# Altium PCB 2-quilter-output.pcbdoc (part 8 of 17)
Units mil, origin at the board's own origin, x right, y up, seen from the top; angles counter-clockwise.
Board outline 2728 x 2217 mil, 8 copper layers (L1_TOP, L2_GND, L3_INNER1, L4_GND, L5_PWR, L6_PWR, L7_GND, L8_BOT), stack 48.64 mil thick; 230 components, 327 nets, 1592 pads, 995 vias.
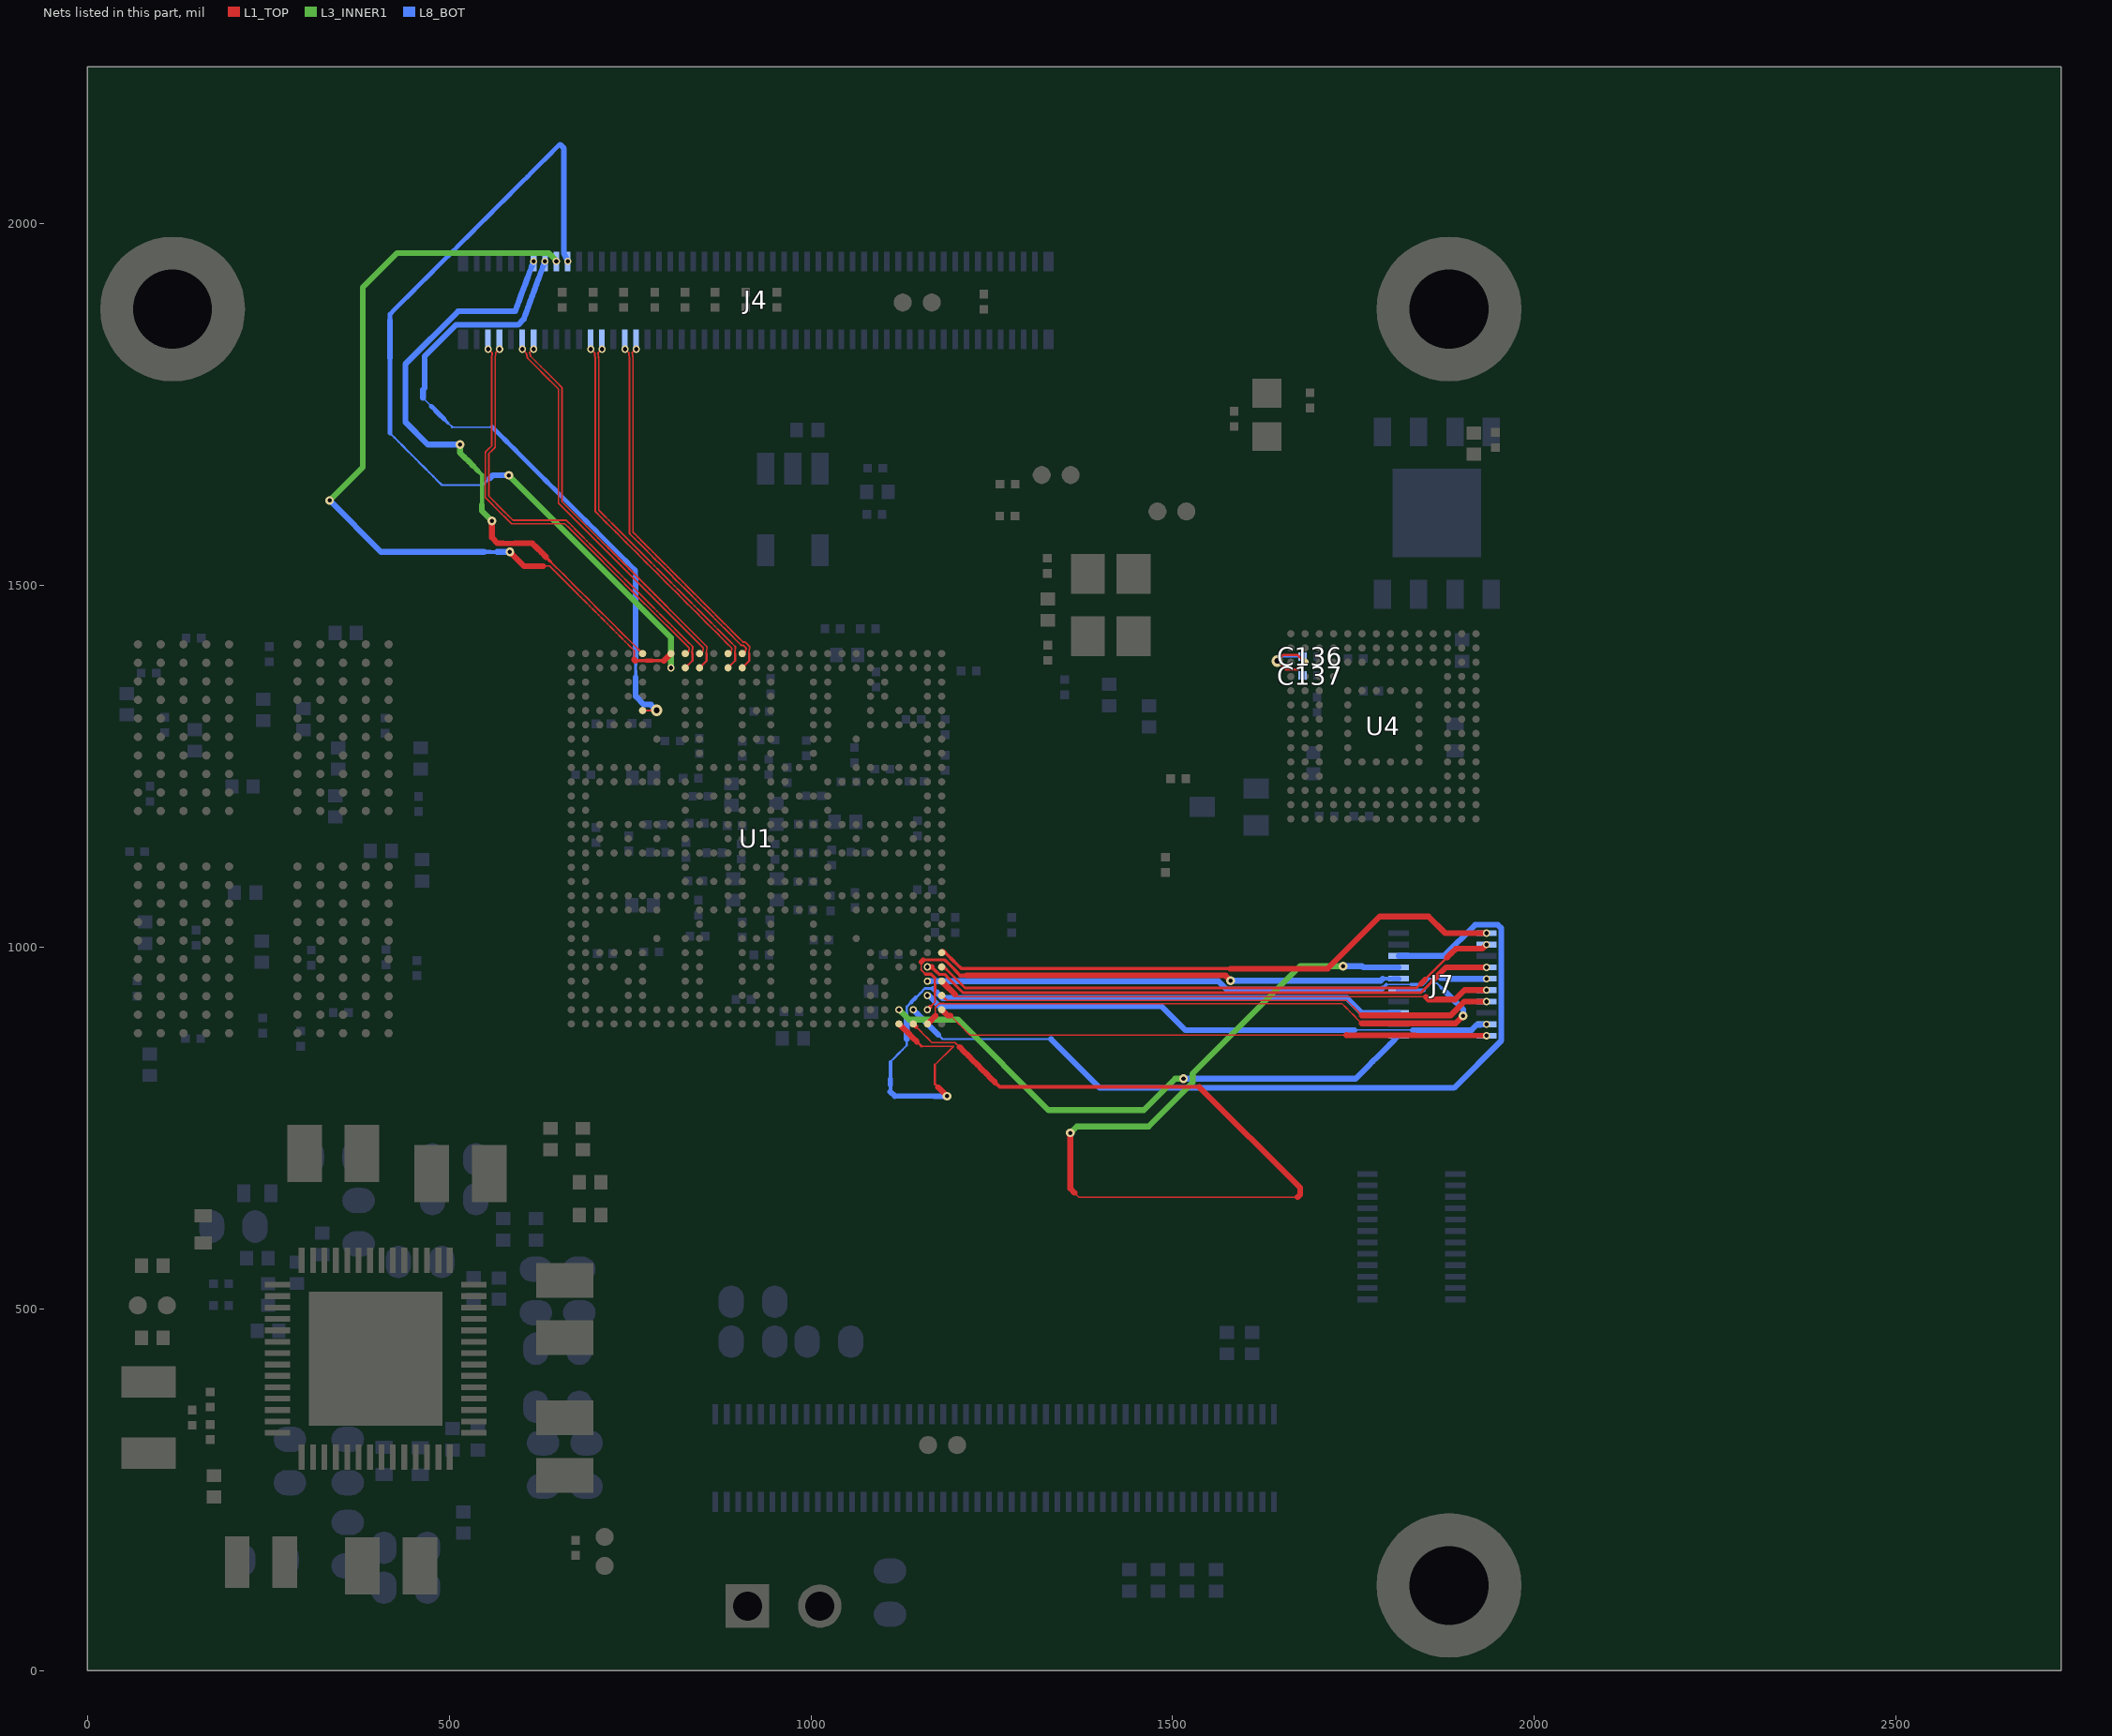
[diagram p14: the nets of this part, all layers, seen from the top]

## Via types
v1: diameter 12.01, hole 5.91, L1_TOP to L8_BOT, tented both sides, 409 vias
v2: diameter 16, hole 8, L1_TOP to L8_BOT, tented both sides, 329 vias
v3: diameter 10, hole 6, L1_TOP to L8_BOT, tented both sides, 205 vias
v4: diameter 16, hole 8, L1_TOP to L8_BOT, tented top, 52 vias

## Nets (pads, with @x,y where several pads share a name; then routed paths per layer and width w, separated by ;. In a path a pad name is that pad's centre, name@x,y a point inside that pad or via, vN(x,y) a via of type N, cw(c..) or ccw(c..) an arc to the next point about the centre after c; other vN are vias at no path point) (continued)
DSI_D0_N: J4.3 U1.A9 | length 588.9
  L1_TOP w2.3: 550.91,1620.63 550.85,1620.69 550.79,1620.75 550.74,1620.82 550.69,1620.89 550.64,1620.96 550.59,1621.03 550.55,1621.1 550.51,1621.17 550.47,1621.25 550.43,1621.32 550.4,1621.4 550.37,1621.48 550.34,1621.56 550.32,1621.64 550.29,1621.72 550.28,1621.81 550.26,1621.89 550.25,1621.97 550.24,1622.06 550.23,1622.14 550.22,1622.22 550.22,1622.31 550.22,1632.46 550.22,1642.61 550.22,1652.76 550.22,1662.92 550.22,1673.07 550.22,1683.22 550.22,1683.3 550.23,1683.39 550.24,1683.47 550.25,1683.55 550.26,1683.64 550.28,1683.72 550.3,1683.8 550.32,1683.88 550.35,1683.97 550.38,1684.04 550.41,1684.12 550.44,1684.2 550.48,1684.28 550.52,1684.35 550.56,1684.42 550.61,1684.5 550.65,1684.57 550.7,1684.64 550.76,1684.7 550.81,1684.77 550.87,1684.83 550.92,1684.89 554.94,1688.9 558.95,1692.91 558.95,1702.98 558.95,1713.04 558.95,1723.11 558.95,1733.17 558.95,1743.24 558.95,1753.3 558.95,1763.37 558.95,1773.43 558.95,1783.5 558.95,1793.56 558.95,1803.63 558.95,1813.69 558.95,1813.78 558.95,1813.86 559.54,1821.71 v3@554.04,1826.15 ; 550.93,1620.61 557.86,1613.68 564.8,1606.74 571.73,1599.8 578.67,1592.87 585.61,1585.93 585.67,1585.87 585.73,1585.82 585.8,1585.76 585.86,1585.71 585.93,1585.66 586,1585.61 586.07,1585.57 586.15,1585.53 586.22,1585.49 586.3,1585.45 586.37,1585.41 586.45,1585.38 586.53,1585.36 586.61,1585.33 586.69,1585.31 586.78,1585.29 586.86,1585.27 586.94,1585.25 587.03,1585.24 587.11,1585.24 587.2,1585.23 587.28,1585.23 596.37,1585.23 605.46,1585.23 614.55,1585.23 623.64,1585.23 632.73,1585.23 641.82,1585.23 650.91,1585.23 660,1585.23 667.16,1578.07 674.32,1570.91 681.48,1563.75 688.64,1556.59 695.8,1549.43 702.95,1542.27 710.11,1535.11 717.27,1527.95 724.43,1520.79 731.59,1513.63 738.75,1506.48 745.91,1499.32 753.07,1492.16 760.23,1485 767.39,1477.84 774.55,1470.68 781.71,1463.52 788.87,1456.36 796.02,1449.2 803.18,1442.04 810.34,1434.88 817.5,1427.72 824.66,1420.56 831.82,1413.41 830.87,1408.04 U1.A9@826.47,1405.81
  other v3: 554.06,1826.55
DSI_D0_P: J4.5 U1.B9 | length 609.4
  L1_TOP w2.3: v3@569.79,1826.15 564.32,1821.36 563.75,1813.6 563.75,1803.46 563.75,1793.31 563.75,1783.17 563.75,1773.03 563.75,1762.89 563.75,1752.75 563.75,1742.6 563.75,1732.46 563.75,1722.32 563.75,1712.18 563.75,1702.04 563.75,1691.89 563.74,1691.81 563.74,1691.72 563.73,1691.64 563.72,1691.56 563.7,1691.47 563.69,1691.39 563.67,1691.31 563.64,1691.23 563.62,1691.15 563.59,1691.07 563.56,1690.99 563.52,1690.91 563.49,1690.83 563.45,1690.76 563.41,1690.69 563.36,1690.61 563.31,1690.54 563.26,1690.48 563.21,1690.41 563.16,1690.34 563.1,1690.28 563.04,1690.22 559.03,1686.21 555.02,1682.2 555.02,1672.38 555.02,1662.57 555.02,1652.75 555.02,1642.94 555.02,1633.12 555.02,1623.3 561.68,1616.65 568.33,1609.99 574.99,1603.34 581.64,1596.68 588.3,1590.03 597.39,1590.03 606.48,1590.03 615.57,1590.03 624.66,1590.03 633.75,1590.03 642.84,1590.03 651.93,1590.03 661.02,1590.03 661.1,1590.03 661.19,1590.02 661.27,1590.01 661.35,1590 661.44,1589.99 661.52,1589.97 661.6,1589.95 661.68,1589.93 661.76,1589.9 661.84,1589.87 661.92,1589.84 662,1589.81 662.08,1589.77 662.15,1589.73 662.22,1589.69 662.3,1589.64 662.37,1589.6 662.43,1589.55 662.5,1589.49 662.57,1589.44 662.63,1589.38 662.69,1589.32 669.63,1582.39 676.56,1575.45 683.5,1568.52 690.44,1561.58 697.37,1554.64 704.31,1547.71 711.25,1540.77 718.18,1533.83 725.12,1526.9 732.05,1519.96 738.99,1513.02 745.93,1506.09 752.86,1499.15 759.8,1492.22 766.74,1485.28 773.67,1478.34 780.61,1471.41 787.55,1464.47 794.48,1457.53 801.42,1450.6 808.36,1443.66 815.29,1436.72 822.23,1429.79 829.16,1422.85 836.1,1415.91 836.18,1415.84 836.23,1415.77 836.29,1415.71 836.34,1415.64 836.39,1415.57 836.43,1415.5 836.48,1415.43 836.52,1415.35 836.56,1415.28 836.59,1415.2 836.63,1415.12 836.66,1415.05 836.68,1414.97 836.71,1414.88 836.73,1414.8 836.75,1414.72 836.77,1414.64 836.78,1414.55 836.79,1414.47 836.8,1414.39 836.8,1414.3 836.8,1414.22 836.8,1414.13 836.8,1414.05 836.79,1413.96 836.78,1413.88 836.77,1413.8 835.59,1407.2 836.46,1407.32
  L1_TOP w3: U1.B9@826.47,1386.12 836.45,1396.1 836.45,1405.81
  other v3: 569.81,1826.55
DSI_D1_N: J4.9 U1.A10 | length 526.1
  L1_TOP w2.3: v3@601.29,1826.15 606.84,1820.99 608.21,1815.03 608.23,1814.95 608.26,1814.87 608.28,1814.79 608.31,1814.71 608.34,1814.63 608.38,1814.56 608.42,1814.48 608.46,1814.41 608.5,1814.33 608.54,1814.26 608.59,1814.19 608.64,1814.12 608.69,1814.06 608.75,1813.99 608.8,1813.93 608.85,1813.88 615.92,1806.81 622.99,1799.74 630.06,1792.67 637.13,1785.6 644.2,1778.53 651.26,1771.47 651.26,1761.66 651.26,1751.85 651.26,1742.05 651.26,1732.24 651.26,1722.44 651.26,1712.63 651.26,1702.83 651.26,1693.02 651.26,1683.22 651.26,1673.41 651.26,1663.6 651.26,1653.8 651.26,1643.99 651.26,1634.19 651.26,1624.38 651.26,1614.58 651.27,1614.49 651.27,1614.41 651.28,1614.32 651.29,1614.24 651.3,1614.15 651.32,1614.07 651.34,1613.99 651.36,1613.91 651.38,1613.83 651.41,1613.75 651.44,1613.67 651.48,1613.59 651.51,1613.51 651.55,1613.44 651.59,1613.37 651.64,1613.29 651.68,1613.22 651.73,1613.15 651.78,1613.09 651.84,1613.02 651.89,1612.96 651.95,1612.9 659.09,1605.75 666.22,1598.63 673.34,1591.5 680.47,1584.38 687.6,1577.25 694.72,1570.12 701.85,1563 708.97,1555.87 716.1,1548.75 723.22,1541.62 730.35,1534.5 737.48,1527.37 744.6,1520.24 751.73,1513.12 758.85,1505.99 765.98,1498.87 773.1,1491.74 780.23,1484.62 787.36,1477.49 794.48,1470.36 801.61,1463.24 808.73,1456.11 815.86,1448.99 822.98,1441.86 830.11,1434.74 837.24,1427.61 844.36,1420.48 851.49,1413.36 850.41,1408.1 U1.A10@846.14,1405.82
  other v3: 601.31,1826.55
DSI_D1_P: J4.11 U1.B10 | length 547.3
  L1_TOP w2.3: v3@617.03,1826.15 611.51,1822.08 612.73,1816.79 619.84,1809.68 626.94,1802.58 634.05,1795.47 641.15,1788.37 648.26,1781.26 655.36,1774.16 ; 655.38,1774.14 655.44,1774.08 655.49,1774.02 655.55,1773.95 655.6,1773.88 655.65,1773.81 655.69,1773.74 655.74,1773.67 655.78,1773.6 655.82,1773.52 655.85,1773.45 655.89,1773.37 655.92,1773.29 655.95,1773.21 655.97,1773.13 655.99,1773.05 656.01,1772.96 656.03,1772.88 656.04,1772.8 656.05,1772.71 656.06,1772.63 656.06,1772.55 656.07,1772.46 656.07,1762.65 656.07,1752.85 656.07,1743.04 656.07,1733.24 656.07,1723.43 656.07,1713.63 656.07,1703.82 656.07,1694.02 656.07,1684.21 656.07,1674.4 656.07,1664.6 656.07,1654.79 656.07,1644.99 656.07,1635.18 656.07,1625.38 656.07,1615.57 663.2,1608.44 670.33,1601.3 677.46,1594.17 684.6,1587.04 691.73,1579.9 698.86,1572.77 706,1565.64 713.13,1558.5 720.26,1551.37 727.4,1544.24 734.53,1537.1 741.66,1529.97 748.8,1522.84 755.93,1515.7 763.06,1508.57 770.2,1501.44 777.33,1494.3 784.46,1487.17 791.6,1480.04 798.73,1472.9 805.86,1465.77 813,1458.64 820.13,1451.5 827.26,1444.37 834.4,1437.24 841.53,1430.1 848.66,1422.97 855.8,1415.84 855.86,1415.77 855.92,1415.71 855.97,1415.65 856.02,1415.58 856.07,1415.51 856.12,1415.44 856.16,1415.37 856.2,1415.29 856.24,1415.22 856.28,1415.14 856.31,1415.07 856.35,1414.99 856.37,1414.91 856.4,1414.83 856.42,1414.75 856.44,1414.66 856.46,1414.58 856.47,1414.5 856.48,1414.41 856.49,1414.33 856.5,1414.25 856.5,1414.16 856.5,1414.08 856.5,1413.99 856.49,1413.91 856.48,1413.82 856.47,1413.74 856.45,1413.66 855.11,1407.13 855.85,1407.32
  L1_TOP w3: U1.B10@846.15,1386.12 855.85,1395.82 855.85,1405.81
  other v3: 617.05,1826.55
DSI_D2_N: J4.21 U1.A12 | length 503.7
  L1_TOP w2.3: v3@695.77,1826.15 701.27,1821.32 702.16,1811.46 702.16,1801.53 702.16,1791.6 702.16,1781.67 702.16,1771.74 702.16,1761.81 702.16,1751.88 702.16,1741.96 702.16,1732.03 702.16,1722.1 702.16,1712.17 702.16,1702.24 702.16,1692.31 702.16,1682.38 702.16,1672.45 702.16,1662.52 702.16,1652.6 702.16,1642.67 702.16,1632.74 702.16,1622.81 702.16,1612.88 702.16,1602.95 702.16,1602.87 702.17,1602.78 702.18,1602.7 702.19,1602.61 702.2,1602.53 702.22,1602.45 702.24,1602.37 702.26,1602.28 702.28,1602.2 702.31,1602.12 702.34,1602.04 702.37,1601.97 702.41,1601.89 702.45,1601.81 702.49,1601.74 702.53,1601.67 702.58,1601.6 702.63,1601.53 702.68,1601.46 702.74,1601.4 702.79,1601.33 702.85,1601.27 709.83,1594.29 716.79,1587.33 723.75,1580.37 730.71,1573.41 737.67,1566.45 744.64,1559.48 751.6,1552.52 758.56,1545.56 765.52,1538.6 772.48,1531.64 779.44,1524.68 786.4,1517.71 793.37,1510.75 800.33,1503.79 807.29,1496.83 814.25,1489.87 821.21,1482.91 828.17,1475.95 835.14,1468.98 842.1,1462.02 849.06,1455.06 856.02,1448.1 862.98,1441.14 869.94,1434.18 876.9,1427.21 883.87,1420.25 890.83,1413.29 889.92,1408.03 U1.A12@885.52,1405.81
  other v3: 695.79,1826.55
DSI_D2_P: J4.23 U1.B12 | length 524.5
  L1_TOP w2.3: 706.96,1811.73 706.96,1811.65 706.96,1811.56 706.96,1801.68 706.96,1791.79 706.96,1781.9 706.96,1772.02 706.96,1762.13 706.96,1752.24 706.96,1742.36 706.96,1732.47 706.96,1722.58 706.96,1712.7 706.96,1702.81 706.96,1692.92 706.96,1683.04 706.96,1673.15 706.96,1663.27 706.96,1653.38 706.96,1643.49 706.96,1633.61 706.96,1623.72 706.96,1613.83 706.96,1603.95 713.93,1596.98 720.9,1590.01 727.87,1583.04 734.84,1576.07 741.8,1569.1 748.77,1562.14 755.74,1555.17 762.71,1548.2 769.68,1541.23 776.64,1534.26 783.61,1527.3 790.58,1520.33 797.55,1513.36 804.52,1506.39 811.49,1499.42 818.45,1492.46 825.42,1485.49 832.39,1478.52 839.36,1471.55 846.33,1464.58 853.29,1457.62 860.26,1450.65 867.23,1443.68 874.2,1436.71 881.17,1429.74 888.13,1422.77 895.1,1415.81 895.17,1415.74 895.23,1415.67 895.28,1415.61 895.33,1415.54 895.38,1415.47 895.43,1415.4 895.47,1415.33 895.51,1415.26 895.55,1415.18 895.59,1415.11 895.62,1415.03 895.65,1414.95 895.68,1414.87 895.71,1414.79 895.73,1414.71 895.75,1414.62 895.77,1414.54 895.78,1414.46 895.79,1414.37 895.8,1414.29 895.8,1414.21 895.81,1414.12 895.8,1414.04 895.8,1413.95 895.79,1413.87 895.78,1413.78 895.77,1413.7 894.65,1407.21 895.51,1407.32 ; 706.95,1811.78 706.05,1821.75 v3@711.52,1826.15
  L1_TOP w3: U1.B12@885.52,1386.12 895.51,1396.1 895.51,1405.81
  other v3: 711.54,1826.55
DSI_D3_N: J4.27 U1.A13 | length 494.3
  L1_TOP w2.3: v3@743.02,1826.15 748.52,1821.3 749.28,1813.6 749.28,1803.57 749.28,1793.54 749.28,1783.5 749.28,1773.47 749.28,1763.44 749.28,1753.4 749.28,1743.37 749.28,1733.34 749.28,1723.3 749.28,1713.27 749.28,1703.23 749.28,1693.2 749.28,1683.17 749.28,1673.13 749.28,1663.1 749.28,1653.07 749.28,1643.03 749.28,1633 749.28,1622.97 749.28,1612.93 749.28,1602.9 749.28,1592.87 749.28,1582.83 749.28,1572.8 749.28,1572.71 749.29,1572.63 749.29,1572.55 749.3,1572.46 749.32,1572.38 749.33,1572.3 749.35,1572.21 749.38,1572.13 749.4,1572.05 749.43,1571.97 749.46,1571.89 749.49,1571.81 749.53,1571.74 749.57,1571.66 749.61,1571.59 749.65,1571.52 749.7,1571.45 749.75,1571.38 749.8,1571.31 749.85,1571.24 749.91,1571.18 749.97,1571.12 ; 749.98,1571.1 756.95,1564.13 763.93,1557.16 770.9,1550.19 777.87,1543.22 784.84,1536.24 791.81,1529.27 798.78,1522.3 805.76,1515.33 812.73,1508.36 819.7,1501.39 826.67,1494.41 833.64,1487.44 840.61,1480.47 847.59,1473.5 854.56,1466.53 861.53,1459.56 868.5,1452.58 875.47,1445.61 882.44,1438.64 889.42,1431.67 896.39,1424.7 903.36,1417.73 903.42,1417.67 903.48,1417.61 903.55,1417.56 903.61,1417.5 903.68,1417.46 903.75,1417.41 903.83,1417.36 903.9,1417.32 903.97,1417.28 904.05,1417.24 904.13,1417.21 904.21,1417.18 904.28,1417.15 904.37,1417.12 904.45,1417.1 904.53,1417.08 904.61,1417.06 904.7,1417.05 904.78,1417.04 904.86,1417.03 904.95,1417.03 905.03,1417.02 906.93,1417.02 910.51,1413.45 909.47,1408.07 U1.A13@905.23,1404.82
  other v3: 743.04,1826.55
DSI_D3_P: J4.29 U1.B13 | length 514.6
  L1_TOP w2.3: v3@758.77,1826.15 753.29,1821.77 754.07,1813.96 754.07,1813.89 754.08,1813.81 754.08,1813.72 754.08,1803.72 754.08,1793.73 754.08,1783.73 754.08,1773.73 754.08,1763.74 754.08,1753.74 754.08,1743.74 754.08,1733.75 754.08,1723.75 754.08,1713.75 754.08,1703.75 754.08,1693.76 754.08,1683.76 754.08,1673.76 754.08,1663.77 754.08,1653.77 754.08,1643.77 754.08,1633.78 754.08,1623.78 754.08,1613.78 754.08,1603.78 754.08,1593.79 754.08,1583.79 754.08,1573.79 760.99,1566.89 767.9,1559.98 774.8,1553.07 781.71,1546.16 788.62,1539.26 795.53,1532.35 802.43,1525.44 809.34,1518.53 816.25,1511.62 823.16,1504.72 830.07,1497.81 836.97,1490.9 843.88,1483.99 850.79,1477.09 857.7,1470.18 864.6,1463.27 871.51,1456.36 878.42,1449.45 885.33,1442.55 892.24,1435.64 899.14,1428.73 906.05,1421.82 907.95,1421.82 908.04,1421.82 908.12,1421.82 908.21,1421.81 908.29,1421.8 908.37,1421.78 908.46,1421.76 908.54,1421.74 908.62,1421.72 908.7,1421.7 908.78,1421.67 908.86,1421.64 908.94,1421.6 909.01,1421.57 909.09,1421.53 909.16,1421.48 909.23,1421.44 909.3,1421.39 909.37,1421.34 909.44,1421.29 909.5,1421.24 909.57,1421.18 909.63,1421.12 914.8,1415.94 914.84,1415.9 914.9,1415.84 914.95,1415.78 915.01,1415.71 915.06,1415.64 915.11,1415.57 915.15,1415.5 915.19,1415.43 915.23,1415.36 915.27,1415.28 915.31,1415.2 915.34,1415.12 915.37,1415.04 915.4,1414.96 915.42,1414.88 915.44,1414.8 915.46,1414.72 915.47,1414.64 915.49,1414.55 915.49,1414.47 915.5,1414.38 915.5,1414.3 915.5,1414.21 915.5,1414.13 915.5,1414.05 915.49,1413.96 915.48,1413.88 915.46,1413.79 914.19,1407.16 914.92,1407.32
  L1_TOP w3: U1.B13@905.21,1386.12 914.91,1395.82 914.91,1405.81
  other v3: 758.79,1826.55
ECSPI2_MISO: J4.16 U1.A8 | length 1180.7
  L1_TOP w2: 755.81,1397.52 755.81,1402.98 755.81,1410.01
  L1_TOP w2.2: 630.18,1526.75 639.07,1526.75 645.21,1520.61 651.36,1514.46 657.5,1508.32 663.65,1502.17 669.79,1496.03 675.93,1489.88 682.08,1483.74 688.22,1477.59 694.37,1471.45 700.51,1465.31 706.66,1459.16 712.8,1453.02 718.95,1446.87 725.09,1440.73 731.23,1434.58 737.38,1428.44 743.52,1422.29 749.67,1416.15 755.81,1410.01
  L1_TOP w4.54: 757.38,1395.95 764.04,1395.95 772.25,1395.95 ; 780.47,1395.95 788.69,1395.95 796.91,1395.95
  L1_TOP w5.71: 772.25,1395.95 780.47,1395.95
  L1_TOP w8.05: v1(584.05,1546.22) 590.3,1539.98 603.52,1526.75 612.41,1526.75 621.3,1526.75 630.18,1526.75 ; 755.81,1397.52 757.38,1395.95 ; 796.91,1395.95 U1.A8@806.78,1405.81
  L3_INNER1 w8.05: v1(334.87,1617.35) 343.46,1625.94 380.7,1663.18 380.7,1911.56 428.49,1959.35 637.69,1959.35 645.26,1951.79 v3(648.3,1947.75)
  L8_BOT w5.13: 557.34,1546.22 566.24,1546.22
  L8_BOT w5.71: 548.44,1546.22 557.34,1546.22
  L8_BOT w8.05: v1(334.87,1617.35) 405.99,1546.22 414.9,1546.22 423.8,1546.22 432.7,1546.22 441.6,1546.22 450.51,1546.22 459.41,1546.22 468.31,1546.22 477.22,1546.22 486.12,1546.22 495.02,1546.22 503.92,1546.22 512.83,1546.22 521.73,1546.22 530.63,1546.22 539.54,1546.22 548.44,1546.22 ; 566.24,1546.22 575.15,1546.22 v1(584.05,1546.22)
ECSPI2_MOSI: J4.18 U1.B8 | length 1219.6
  L3_INNER1 w8.05: v1(582.39,1652.12) 806.77,1427.73 v3(806.78,1386.12)
  L8_BOT w2.2: 530.59,1638.61 538.66,1638.61
  L8_BOT w2.79: 418.47,1710.37 424.45,1704.39 430.43,1698.41 436.41,1692.43 442.39,1686.45 448.37,1680.47 454.35,1674.49 460.33,1668.51 466.31,1662.53 472.29,1656.55 478.27,1650.57 484.25,1644.59 490.23,1638.61 498.3,1638.61 506.37,1638.61 514.45,1638.61 522.52,1638.61 530.59,1638.61 ; 538.66,1638.61 546.73,1638.61 551.23,1643.11
  L8_BOT w3.96: 551.23,1643.11 555.74,1647.61
  L8_BOT w5.71: 507.03,1963.56 513.35,1969.88
  L8_BOT w6.29: 418.47,1710.37 418.47,1719.03 418.47,1727.7 418.47,1736.36 418.47,1745.03 418.47,1753.69 418.47,1762.36 418.47,1771.02 418.47,1779.69 418.47,1788.35 418.47,1797.02 418.47,1805.68 418.47,1814.34 ; 418.47,1866.33 418.47,1875 424.79,1881.32 431.12,1887.65 437.44,1893.97 443.77,1900.3 450.1,1906.62 456.42,1912.95 462.75,1919.28 469.07,1925.6 475.4,1931.93 481.72,1938.25 488.05,1944.58 494.38,1950.9 500.7,1957.23 507.03,1963.56 ; 513.35,1969.88 519.68,1976.21 526,1982.53 532.33,1988.86 538.66,1995.18 544.98,2001.51 551.31,2007.84 557.63,2014.16 563.96,2020.49 570.28,2026.81 576.61,2033.14 582.94,2039.46 589.26,2045.79 595.59,2052.12 601.91,2058.44 608.24,2064.77 614.56,2071.09 620.89,2077.42 627.22,2083.74 633.54,2090.07 639.87,2096.39 646.19,2102.72 652.52,2109.05 653.61,2109.06
  L8_BOT w7.46: 418.47,1814.34 418.47,1823.01
  L8_BOT w8.05: 418.47,1823.01 418.47,1831.67 418.47,1840.34 418.47,1849 418.47,1857.67 418.47,1866.33 ; 555.74,1647.61 560.24,1652.12 570.28,1652.12 v1(582.39,1652.12) ; 653.61,2109.06 658.84,2103.82 658.84,1958.54 J4.18@664.06,1947.76
  other v3: 664.05,1947.75
ECSPI2_SCLK: J4.14 U1.E6 | length 924.8
  L1_TOP w3: U1.E6@767.41,1327.06 786.49,1327.06 v2(786.89,1327.46)
  L8_BOT w2: 504.29,1718.77 512.22,1718.77 520.15,1718.77 528.08,1718.77 536.01,1718.77 543.94,1718.77 551.87,1718.77 559.8,1718.77
  L8_BOT w2.2: 464.06,1759.01 469.81,1753.26 475.55,1747.51 ; 498.54,1724.53 503.97,1719.09
  L8_BOT w3.37: 503.97,1719.09 504.29,1718.77
  L8_BOT w3.96: 757.84,1381.74 757.84,1390.42
  L8_BOT w4.54: 492.79,1730.27 498.54,1724.53 ; 757.84,1373.05 757.84,1381.74 ; 757.84,1390.42 757.84,1399.11
  L8_BOT w6.29: 475.55,1747.51 481.3,1741.77 ; 559.8,1718.77 565.99,1712.58 572.17,1706.39 578.36,1700.2 584.55,1694.02 590.74,1687.83 596.93,1681.64 603.12,1675.45 609.31,1669.26 615.5,1663.07 621.69,1656.88 627.88,1650.69 634.06,1644.5 640.25,1638.31 646.44,1632.13 652.63,1625.94 658.82,1619.75 665.01,1613.56 671.2,1607.37 677.39,1601.18 683.58,1594.99 689.77,1588.8 695.95,1582.61 702.14,1576.42 708.33,1570.24 714.52,1564.05 720.71,1557.86 726.9,1551.67 733.09,1545.48 739.28,1539.29 745.47,1533.1 751.65,1526.91 757.84,1520.72 757.84,1512.04
  L8_BOT w6.88: 481.3,1741.77 487.05,1736.02 492.79,1730.27
  L8_BOT w7.46: 623.76,1923.85 626.69,1931.82 J4.14@629.63,1939.79
  L8_BOT w8.05: 464.06,1759.01 464.06,1770.5 466.15,1772.6 466.16,1816.61 509.65,1860.1 595.25,1860.1 603.22,1868.07 ; 603.22,1868.08 606.15,1876.05 609.09,1884.02 612.02,1891.98 614.96,1899.95 617.89,1907.92 620.82,1915.89 623.76,1923.85 ; J4.14@629.63,1939.79 v3(632.55,1947.75) ; 757.84,1373.05 757.84,1364.36 757.84,1355.67 757.84,1346.99 769.39,1335.43 778.92,1335.43 v2(786.89,1327.46) ; 757.84,1399.11 757.84,1407.8 757.84,1416.48 757.84,1425.17 757.84,1433.86 757.84,1442.54 757.84,1451.23 757.84,1459.92 757.84,1468.6 757.84,1477.29 757.84,1485.98 757.84,1494.66 757.84,1503.35 757.84,1512.04
ECSPI2_SS0: J4.12 U1.A6 | length 845.2
  L1_TOP w2.2: 640.39,1532.81 646.74,1526.46 653.09,1520.11 659.44,1513.76 665.79,1507.41 672.14,1501.06 678.49,1494.71 684.84,1488.36 691.19,1482.01 697.54,1475.66 703.89,1469.31 710.24,1462.96 716.59,1456.61 722.94,1450.26 729.29,1443.91 735.64,1437.57 741.99,1431.22 748.34,1424.87 754.69,1418.52 761.04,1412.17
  L1_TOP w2.79: 761.04,1412.17 U1.A6@767.41,1405.81
  L1_TOP w3.96: 634.05,1539.16 640.39,1532.81
  L1_TOP w6.88: 575.12,1558.21 583.09,1558.21 591.07,1558.21
  L1_TOP w8.05: v1(559.16,1589.07) 559.16,1566.18 567.14,1558.21 575.12,1558.21 ; 591.07,1558.21 599.05,1558.21 607.02,1558.21 615,1558.21 621.35,1551.86 627.7,1545.51 634.05,1539.16
  L3_INNER1 w5.71: 539.33,1658.98 545.39,1652.93 545.39,1644.58 545.39,1636.23 545.39,1627.89 545.39,1619.54 545.39,1611.2
  L3_INNER1 w6.88: 533.28,1665.03 539.33,1658.98
  L3_INNER1 w8.05: v1(515.12,1694.58) 515.12,1683.19 521.17,1677.14 527.23,1671.09 533.28,1665.03 ; 545.39,1611.2 545.39,1602.85 v1(559.16,1589.07)
  L8_BOT w7.46: 439.73,1743.44 439.73,1752.35 ; 608.35,1924.78 611.17,1932.44 J4.12@613.99,1940.1
  L8_BOT w8.05: 439.73,1743.44 439.73,1734.53 439.73,1725.61 470.75,1694.58 506.56,1694.58 v1(515.12,1694.58) ; 439.73,1752.35 439.73,1761.27 439.73,1770.18 439.73,1779.09 439.73,1788.01 439.73,1796.92 439.73,1805.83 512.72,1878.83 591.43,1878.83 594.25,1886.5 597.07,1894.15 599.89,1901.81 602.71,1909.47 605.53,1917.13 608.35,1924.78 ; J4.12@613.99,1940.1 v3(616.8,1947.75)
EMMC_VDDIM: C136.1 C137.1 U4.C2 | length 156.9
  L1_TOP w3: v2(1644.42,1395.66) 1656.22,1383.86 1672.93,1383.86 U4.C2@1682.91,1393.84 1673.04,1403.71 1652.47,1403.71 v2(1644.42,1395.66)
  L8_BOT w3: v2(1644.42,1395.66) 1650.42,1401.66 C136.1@1679.38,1401.66 C137.1@1679.38,1375.66
ENET_MDC: J7.18 U1.AC27 | length 791
  L1_TOP w3.37: 1187.44,969.34 1192.58,964.2 1197.73,959.06 1202.87,953.91 1208.01,948.77 1213.16,943.63 1222.07,943.63 1230.98,943.63 1239.89,943.63 1248.8,943.63 1257.71,943.63 1266.62,943.63 1275.53,943.63 1284.44,943.63 1293.35,943.63 1302.26,943.63 1311.17,943.63 1320.08,943.63 1328.99,943.63 1337.9,943.63 1346.81,943.63 1355.72,943.63 1364.63,943.63 1373.54,943.63 1382.45,943.63 1391.36,943.63 1400.27,943.63 1409.18,943.63 1418.09,943.63 1427,943.63 1435.91,943.63 1444.82,943.63 1453.73,943.63 1462.64,943.63 1471.55,943.63 1480.46,943.63 1489.37,943.63 1498.28,943.63 1507.19,943.63 1516.1,943.63 1525.01,943.63 1533.92,943.63 1542.83,943.63 1551.74,943.63 1560.65,943.63 1569.56,943.63 1578.47,943.63 1587.38,943.63 1596.29,943.63 1605.2,943.63 1614.11,943.63 1623.02,943.63 1631.93,943.63 1640.84,943.63 1649.75,943.63 1658.66,943.63 1667.57,943.63 1676.48,943.63 1685.39,943.63 1694.3,943.63 1703.21,943.63 1712.12,943.63 1721.03,943.63 1729.94,943.63 1738.85,943.63 1747.76,943.63 1756.67,943.63 1765.58,943.63 1774.49,943.63 1783.4,943.63 1792.31,943.63 1801.22,943.63 1810.13,943.63 1819.04,943.63 1827.95,943.63 1836.86,943.63 1842.9,949.67 ; 1848.95,955.72 1855,961.76 1861.04,967.81 1867.09,973.86 1873.13,979.9 1879.18,985.95
  L1_TOP w4.54: U1.AC27@1180.8,972.74 1182.42,974.35 1187.43,969.34
  L1_TOP w7.46: 1842.9,949.67 1848.95,955.72
  L1_TOP w8.05: 1879.18,985.95 1885.23,992 1891.27,998.04 1927.82,998.04 v3(1933.49,1003.69)
ENET_MDIO: J7.20 U1.AB27 | length 803.2
  L1_TOP w4.54: U1.AB27@1180.8,992.42 1183.28,994.89 1189.42,988.75 1195.56,982.61 1201.7,976.47 1207.83,970.33 1216.69,970.33 1225.54,970.33 1234.39,970.33 1243.24,970.33 1252.1,970.33 1260.95,970.33 1269.8,970.33 1278.65,970.33 1287.5,970.33 1296.36,970.33 1305.21,970.33 1314.06,970.33 1322.91,970.33 1331.77,970.33 1340.62,970.33 1349.47,970.33 1358.32,970.33 1367.17,970.33 1376.03,970.33 1384.88,970.33 1393.73,970.33 1402.58,970.33 1411.44,970.33 1420.29,970.33 1429.14,970.33 1437.99,970.33 1446.84,970.33 1455.7,970.33 1464.55,970.33 1473.4,970.33 1482.25,970.33 1491.11,970.33 1499.96,970.33 1508.81,970.33 1517.66,970.33 1526.51,970.33 1535.37,970.33 1544.22,970.33 1553.07,970.33 1561.92,970.33 1570.78,970.33 1579.63,970.33
  L1_TOP w8.05: 1579.63,970.33 1588.48,970.33 1597.33,970.33 1606.18,970.33 1615.04,970.33 1623.89,970.33 1632.74,970.33 1641.59,970.33 1650.45,970.33 1659.3,970.33 1668.15,970.33 1677,970.33 1685.85,970.33 1714.09,970.33 1786.17,1042.41 1853.55,1042.41 1876.51,1019.45 v3(1933.49,1019.44)
ENET_RD0: J7.8 U1.AE27 | length 772.1
  L1_TOP w2: 1186.49,927.66 1187.36,926.78 1196.28,926.78 1205.2,926.78 1214.12,926.78 1223.04,926.78 1231.96,926.78 1240.88,926.78 1249.8,926.78 1258.72,926.78 1267.63,926.78 1276.55,926.78 1285.47,926.78 1294.39,926.78 1303.31,926.78 1312.23,926.78 1321.15,926.78 1330.07,926.78 1338.99,926.78 1347.9,926.78 1356.82,926.78 1365.74,926.78 1374.66,926.78 1383.58,926.78 1392.5,926.78 1401.42,926.78 1410.34,926.78 1419.26,926.78 1428.18,926.78 1437.09,926.78 1446.01,926.78 1454.93,926.78 1463.85,926.78 1472.77,926.78 1481.69,926.78 1490.61,926.78 1499.53,926.78 1508.45,926.78 1517.36,926.78 1526.28,926.78 1535.2,926.78 1544.12,926.78 1553.04,926.78 1561.96,926.78 1570.88,926.78 1579.8,926.78 1588.72,926.78 1597.64,926.78 1606.55,926.78 1615.47,926.78 1624.39,926.78 1633.31,926.78 1642.23,926.78 1651.15,926.78 1660.07,926.78 1668.99,926.78 1677.91,926.78 1686.82,926.78 1695.74,926.78 1704.66,926.78 1713.58,926.78 1722.5,926.78 1731.42,926.78 1740.34,926.78 1745.6,921.52 1750.86,916.27 1756.12,911.01 1761.38,905.75
  L1_TOP w3.37: U1.AE27@1180.8,933.36 1186.44,927.7 1186.48,927.66
  L1_TOP w8.05: 1761.38,905.74 1884.09,905.74 1903.3,924.96 1928.46,924.96 v3(1933.49,924.95)
ENET_RD1: J7.10 U1.AD27 | length 768.4
  L1_TOP w2: 1199.23,934.64 1202.44,931.42 1211.43,931.42 1220.42,931.42 1229.41,931.42 1238.4,931.42 1247.39,931.42 1256.38,931.42 1265.37,931.42 1274.36,931.42 1283.36,931.42 1292.35,931.42 1301.34,931.42 1310.33,931.42 1319.32,931.42 1328.31,931.42 1337.3,931.42 1346.29,931.42 1355.28,931.42 1364.27,931.42 1373.26,931.42 1382.25,931.42 1391.24,931.42 1400.23,931.42 1409.22,931.42 1418.21,931.42 1427.2,931.42 1436.19,931.42 1445.19,931.42 1454.18,931.42 1463.17,931.42 1472.16,931.42 1481.15,931.42 1490.14,931.42 1499.13,931.42 1508.12,931.42 1517.11,931.42 1526.1,931.42 1535.09,931.42 1544.08,931.42 1553.07,931.42 1562.06,931.42 1571.05,931.42 1580.04,931.42 1589.03,931.42 1598.02,931.42 1607.02,931.42 1616.01,931.42 1625,931.42 1633.99,931.42 1642.98,931.42 1651.97,931.42 1660.96,931.42 1669.95,931.42 1678.94,931.42 1687.93,931.42 1696.92,931.42 1705.91,931.42 1714.9,931.42 1723.89,931.42 1732.88,931.42 1741.87,931.42 1750.86,931.42 1759.85,931.42 1768.84,931.42 1777.84,931.42 1786.83,931.42 1795.82,931.42 1804.81,931.42 1813.8,931.42 1822.79,931.42 1831.78,931.42 1840.77,931.42 1849.76,931.42
  L1_TOP w8.05: U1.AD27@1180.81,953.05 1184.35,949.51 1199.22,934.64 ; 1849.76,931.42 1853.33,927.85 1890.54,927.85 1903.4,940.71 1928.46,940.71 v3(1933.49,940.7)
ENET_RD2: J7.12 U1.AD26 | length 783.5
  L8_BOT w2.2: 1795.29,948.54 1803.65,948.54 1812.02,948.54 1820.39,948.54 1828.76,948.54
  L8_BOT w2.79: 1853.39,956.44 1861.65,956.44 1869.91,956.44
  L8_BOT w3.96: 1828.76,948.54 1837.12,948.54
  L8_BOT w4.54: 1789.85,943.1 1795.29,948.54 ; 1837.12,948.54 1845.49,948.54 1849.44,952.49 1853.39,956.44
  L8_BOT w6.29: 1869.91,956.44 1878.17,956.44
  L8_BOT w6.88: 1166.14,953.05 1174.96,953.05
  L8_BOT w7.46: 1788.03,941.29 1789.85,943.1
  L8_BOT w8.05: v3@1161.1,953.05 1166.14,953.05 ; 1174.96,953.05 1183.79,953.05 1192.61,953.05 1201.43,953.05 1210.25,953.05 1219.08,953.05 1227.9,953.05 1236.72,953.05 1245.54,953.05 1254.37,953.05 1263.19,953.05 1272.01,953.05 1280.83,953.05 1289.66,953.05 1298.48,953.05 1307.3,953.05 1316.12,953.05 1324.95,953.05 1333.77,953.05 1342.59,953.05 1351.41,953.05 1360.24,953.05 1369.06,953.05 1377.88,953.05 1386.7,953.05 1395.53,953.05 1404.35,953.05 1413.17,953.05 1421.99,953.05 1430.82,953.05 1439.64,953.05 1448.46,953.05 1457.28,953.05 1466.11,953.05 1474.93,953.05 1483.75,953.05 1492.57,953.05 1501.4,953.05 1510.22,953.05 1519.04,953.05 1527.86,953.05 1536.69,953.05 1545.51,953.05 1554.33,953.05 1563.15,953.05 1574.92,941.29 1788.03,941.29 ; 1878.17,956.44 1886.44,956.44 1894.7,956.44 1902.96,956.44 1911.23,956.44 1919.49,956.44 v3(1933.49,956.44)
  other v3: 1161.11,953.05
ENET_RD3: J7.14 U1.AC26 | length 801.6
  L1_TOP w3.37: 1210.1,937.23 1219.01,937.23 1227.92,937.23 1236.83,937.23 1245.74,937.23 1254.66,937.23 1263.57,937.23 1272.48,937.23 1281.39,937.23 1290.3,937.23 1299.21,937.23 1308.12,937.23 1317.04,937.23 1325.95,937.23 1334.86,937.23 1343.77,937.23 1352.68,937.23 1361.59,937.23 1370.5,937.23 1379.41,937.23 1388.33,937.23 1397.24,937.23 1406.15,937.23 1415.06,937.23 1423.97,937.23 1432.88,937.23 1441.79,937.23 1450.71,937.23 1459.62,937.23 1468.53,937.23 1477.44,937.23 1486.35,937.23 1495.26,937.23 1504.17,937.23 1513.09,937.23 1522,937.23 1530.91,937.23 1539.82,937.23 1548.73,937.23 1557.64,937.23 1566.55,937.23 1575.47,937.23 1584.38,937.23 1593.29,937.23 1602.2,937.23 1611.11,937.23 1620.02,937.23 1628.93,937.23 1637.85,937.23 1646.76,937.23 1655.67,937.23 1664.58,937.23 1673.49,937.23 1682.4,937.23 1691.31,937.23 1700.23,937.23 1709.14,937.23 1718.05,937.23 1726.96,937.23 1735.87,937.23 1744.78,937.23 1753.69,937.23 1762.61,937.23 1771.52,937.23 1780.43,937.23 1789.34,937.23 1798.25,937.23 1807.16,937.23 1816.07,937.23 1824.98,937.23 1833.9,937.23 1842.81,937.23
  L1_TOP w3.96: 1177.03,962.59 1184.74,962.59 1191.08,956.25 1197.42,949.91 1203.76,943.57 1210.1,937.23 ; 1842.81,937.23 1848.64,943.06 1854.46,948.89 1860.29,954.72
  L1_TOP w4.54: 1166.86,972.76 1171.94,967.67 1177.03,962.59
  L1_TOP w8.05: v3(1161.11,972.74) 1166.86,972.76 ; 1860.29,954.72 1866.12,960.55 1871.95,966.38 1877.78,972.2 1928.46,972.2 v3(1933.49,972.19)
ENET_RX_CTL: J7.2 U1.AF27 | length 767.3
  L1_TOP w2: 1192.82,905.54 1198.23,900.12 1203.65,894.7 1209.07,889.29 1214.48,883.87 1219.9,878.46 1228.86,878.46 1237.83,878.46 1246.79,878.46 1255.76,878.46 1264.72,878.46 1273.69,878.46 1282.65,878.46 1291.62,878.46 1300.58,878.46 1309.55,878.46 1318.52,878.46 1327.48,878.46 1336.45,878.46 1345.41,878.46 1354.38,878.46 1363.34,878.46 1372.31,878.46 1381.27,878.46 1390.24,878.46 1399.2,878.46 1408.17,878.46 1417.13,878.46 1426.1,878.46 1435.06,878.46 1444.03,878.46 1452.99,878.46 1461.96,878.46 1470.92,878.46 1479.89,878.46 1488.86,878.46 1497.82,878.46 1506.79,878.46 1515.75,878.46 1524.72,878.46 1533.68,878.46 1542.65,878.46 1551.61,878.46 1560.58,878.46 1569.54,878.46 1578.51,878.46 1587.47,878.46 1596.44,878.46 1605.4,878.46 1614.37,878.46 1623.33,878.46 1632.3,878.46 1641.26,878.46 1650.23,878.46 1659.19,878.46 1668.16,878.46 1677.13,878.46 1686.09,878.46 1695.06,878.46 1704.02,878.46 1712.99,878.46 1721.95,878.46 1730.92,878.46 1739.88,878.46
  L1_TOP w8.05: U1.AF27@1180.8,913.68 1184.35,910.14 1188.95,905.54 1190.88,905.54 1192.82,905.54 ; 1739.88,878.46 v3(1933.49,877.7)
ENET_RXC: J7.4 U1.AE26 | length 795
  L8_BOT w2.2: 1751.09,885.55 1760.08,885.55 1769.07,885.55 1778.06,885.55 1787.05,885.55 1796.04,885.55 1805.03,885.55 1814.03,885.55 1823.02,885.55 1832.01,885.55
  L8_BOT w8.05: v3(1161.11,933.36) 1162.65,933.36 1177.32,918.68 1484.21,918.68 1517.34,885.55 1526.33,885.55 1535.32,885.55 1544.31,885.55 1553.3,885.55 1562.29,885.55 1571.28,885.55 1580.27,885.55 1589.27,885.55 1598.26,885.55 1607.25,885.55 1616.24,885.55 1625.23,885.55 1634.22,885.55 1643.21,885.55 1652.2,885.55 1661.19,885.55 1670.18,885.55 1679.17,885.55 1688.16,885.55 1697.15,885.55 1706.14,885.55 1715.13,885.55 1724.12,885.55 1733.11,885.55 1742.1,885.55 1751.09,885.55 ; 1832.01,885.55 1841,885.55 1849.99,885.55 1858.98,885.55 1867.97,885.55 1876.96,885.55 1885.95,885.55 1894.94,885.55 1903.93,885.55 1912.92,885.55 1919.48,892.11 v3(1933.49,893.45)
ENET_TD0: J7.9 U1.AG26 | length 892
  L1_TOP w2: 1184.05,922.14 1193.06,922.14 1202.07,922.14 1211.09,922.14 1220.1,922.14 1229.11,922.14 1238.13,922.14 1247.14,922.14 1256.15,922.14 1265.17,922.14 1274.18,922.14 1283.19,922.14 1292.21,922.14 1301.22,922.14 1310.23,922.14 1319.25,922.14 1328.26,922.14 1337.28,922.14 1346.29,922.14 1355.3,922.14 1364.32,922.14 1373.33,922.14 1382.34,922.14 1391.36,922.14 1400.37,922.14 1409.38,922.14 1418.4,922.14 1427.41,922.14 1436.42,922.14 1445.44,922.14 1454.45,922.14 1463.46,922.14 1472.48,922.14 1481.49,922.14 1490.5,922.14 1499.52,922.14 1508.53,922.14 1517.54,922.14 1526.56,922.14 1535.57,922.14 1544.58,922.14 1553.6,922.14 1562.61,922.14 1571.62,922.14 1580.64,922.14 1589.65,922.14 1598.67,922.14 1607.68,922.14 1616.69,922.14 1625.71,922.14 1634.72,922.14 1643.73,922.14 1652.75,922.14 1661.76,922.14 1670.77,922.14 1679.79,922.14 1688.8,922.14 1697.81,922.14 1706.83,922.14 1715.84,922.14 1724.85,922.14 1733.87,922.14 1739.32,916.69 1744.78,911.24 1750.23,905.78 1755.68,900.33 1761.14,894.87 1761.34,894.67
  L1_TOP w2.2: 1172.15,905.02 1172.15,911.16 1172.15,917.3 1177.19,922.34 1183.85,922.34 1184.05,922.14
  L1_TOP w8.05: U1.AG26@1161.11,893.99 1164.67,897.54 1172.15,905.02 ; 1761.34,894.67 1890.79,894.67 1892.7,896.59 v1(1901.42,905.31)
  L8_BOT w2.79: 1847.09,940.69 1851.93,945.52 1856.76,950.35 1864.98,950.35 1871.05,944.28
  L8_BOT w4.54: 1871.05,944.28 1877.13,938.21
  L8_BOT w5.13: 1829.66,940.69 1838.38,940.69 1847.09,940.69
  L8_BOT w5.71: J7.9@1820.94,940.69 1829.66,940.69
  L8_BOT w7.46: J7.9@1812.23,940.7 J7.9@1820.94,940.69
  L8_BOT w8.05: 1877.13,938.21 1883.2,932.13 1889.27,926.06 1895.35,919.99 1901.42,913.91 v1(1901.42,905.31)
ENET_TD1: J7.11 U1.AF26 | length 756.5
  L1_TOP w2.2: 1152.42,968.75 1152.42,971.59 1152.42,979.65 ; 1164.67,917.22 1168.1,920.66 1171.54,924.1 1171.54,932.42
  L1_TOP w2.79: 1152.42,968.75 1158.3,962.88
  L1_TOP w3.37: 1171.54,932.42 1171.54,940.74 ; 1171.54,949.06 1171.54,957.38
  L1_TOP w3.96: 1155.04,982.27 1162.58,982.27 1170.12,982.27 1177.66,982.27 1185.2,982.27 ; 1171.54,940.74 1171.54,949.06
  L1_TOP w4.54: 1158.3,962.88 1159.56,962.88 1166.04,962.88 1171.54,957.38 ; 1185.2,982.27 1190.52,976.96 1195.83,971.65 1201.14,966.33 1206.46,961.02
  L1_TOP w5.71: 1206.46,961.02 1215.4,961.02
  L1_TOP w6.29: v3(1161.11,913.68) 1164.67,917.22
  L1_TOP w6.88: 1152.42,979.65 1155.04,982.27
  L1_TOP w8.05: 1215.4,961.02 1224.34,961.02 1233.27,961.02 1242.21,961.02 1251.15,961.02 1260.09,961.02 1269.03,961.02 1277.97,961.02 1286.91,961.02 1295.85,961.02 1304.79,961.02 1313.73,961.02 1322.66,961.02 1331.6,961.02 1340.54,961.02 1349.48,961.02 1358.42,961.02 1367.36,961.02 1376.3,961.02 1385.24,961.02 1394.18,961.02 1403.12,961.02 1412.06,961.02 1420.99,961.02 1429.93,961.02 1438.87,961.02 1447.81,961.02 1456.75,961.02 1465.69,961.02 1474.63,961.02 1483.57,961.02 1492.51,961.02 1501.45,961.02 1510.39,961.02 1519.32,961.02 1528.26,961.02 1537.2,961.02 1546.14,961.02 1555.08,961.02 1564.02,961.02 1572.96,961.02 v1(1580.13,953.85)
  L8_BOT w5.13: 1790.01,956.44 1797.41,956.44
  L8_BOT w5.71: 1797.41,956.44 J7.11@1804.82,956.44
  L8_BOT w7.46: J7.11@1804.82,956.44 J7.11@1812.23,956.44
  L8_BOT w8.05: v1(1580.13,953.85) 1592.1,953.85 1787.42,953.85 1790.01,956.44
ENET_TD2: J7.13 U1.AG25 | length 1595.8
  L1_TOP w2.2: 1144.98,890.43 1150.51,884.9 1156.05,879.37 1161.58,873.83 1167.11,868.3 1175.15,868.3 1183.19,868.3 1191.23,868.3 1199.27,868.3 1205.43,862.15 ; 1364.55,660.59 1370.5,654.64 1379.5,654.64 1388.5,654.64 1397.49,654.64 1406.48,654.64 1415.48,654.64 1424.47,654.64 1433.46,654.64 1442.45,654.64 1451.45,654.64 1460.44,654.64 1469.43,654.64 1478.43,654.64 1487.42,654.64 1496.41,654.64 1505.41,654.64 1514.4,654.64 1523.39,654.64 1532.39,654.64 1541.38,654.64 1550.37,654.64 1559.37,654.64 1568.36,654.64 1577.35,654.64 1586.35,654.64 1595.34,654.64 1604.33,654.64 1613.33,654.64 1622.32,654.64 1631.31,654.64 1640.31,654.64 1649.3,654.64 1658.29,654.64 1667.28,654.64 1672.72,654.64
  L1_TOP w5.13: 1254.66,812.91 1260.82,806.76 1269.72,806.76 1278.63,806.76 1287.54,806.76 1296.44,806.76 1305.35,806.76 1314.25,806.76 1323.16,806.76 1332.07,806.76 1340.97,806.76 1349.88,806.76 1358.78,806.76 1367.69,806.76 1376.6,806.76 1385.5,806.76 1394.41,806.76 1403.31,806.76 1412.22,806.76 1421.13,806.76 1430.03,806.76 1438.94,806.76 1447.84,806.76 1456.75,806.76 1465.66,806.76 1474.56,806.76 1483.47,806.76 1492.37,806.76 1501.28,806.76 1510.19,806.76 1519.09,806.76 1528,806.76 1536.9,806.76
  L1_TOP w6.29: U1.AG25@1141.43,893.99 1144.98,890.43
  L1_TOP w8.05: 1205.43,862.15 1211.58,855.99 1217.74,849.84 1223.89,843.68 1230.05,837.53 1236.2,831.37 1242.35,825.22 1248.51,819.07 1254.66,812.91 ; v1(1358.59,743.44) 1358.59,666.55 1364.55,660.59 ; 1536.9,806.76 1676.28,667.38 1676.28,658.2 1672.72,654.64
  L3_INNER1 w8.05: v1(1358.59,743.44) 1367.53,752.38 1466.83,752.38 1527.5,813.05 1527.5,825.19 1676.15,973.84 v1(1735.37,973.84)
  L8_BOT w8.05: v1(1735.37,973.84) 1745.57,973.84 1761.82,973.84 1763.48,972.18 J7.13@1812.23,972.19
ENET_TD3: J7.15 U1.AF25 | length 1201.3
  L8_BOT w2.79: 1176.29,878.83 1182.1,873.03 1190.91,873.03 1199.72,873.03 1208.53,873.03 1217.35,873.03 1226.16,873.03 1234.97,873.03 1243.78,873.03 1252.59,873.03 1261.41,873.03 1270.22,873.03 1279.03,873.03 1287.84,873.03 1296.65,873.03 1305.46,873.03 1314.28,873.03 1323.09,873.03 1331.9,873.03
  L8_BOT w8.05: v3(1141.43,913.68) 1147.25,907.87 1153.06,902.07 1158.87,896.26 1164.67,890.45 1170.48,884.64 1176.29,878.83 ; 1331.9,873.03 1399.24,805.69 1888.75,805.69 1954.04,870.98 1954.04,1026.15 1949.14,1031.05 1917.83,1031.05 1874.72,987.93 1826.22,987.93 J7.15@1812.23,987.94
ENET_TX_CTL: J7.1 U1.AF24 | length 790.5
  L3_INNER1 w8.05: v3(1121.74,913.68) 1125.3,910.14 1135.57,899.87 1203.41,899.87 1328.34,774.94 1460.12,774.94 1503.43,818.25 v1(1514.94,818.25)
  L8_BOT w7.46: 1806.28,871.75 J7.1@1812.23,877.7
  L8_BOT w8.05: v1(1514.94,818.25) 1523.43,818.25 1752.78,818.25 1758.72,824.2 1764.66,830.14 1770.61,836.09 1776.55,842.03 1782.5,847.98 1788.44,853.92 1794.39,859.86 1800.33,865.81 1806.28,871.75
ENET_TXC: J7.5 U1.AG24 | length 1086.5
  L1_TOP w2: 1171.49,837.43 1176.61,842.56 1181.74,847.68 1186.87,852.81 1191.99,857.94 1197.12,863.06
  L1_TOP w2.2: 1152.66,863.07 1161.55,863.07 1170.44,863.07 1179.33,863.07 1188.22,863.07 1197.12,863.07
  L1_TOP w3.37: 1146.47,869.26 1152.66,863.07 ; 1171.49,837.43 1171.49,828.59 1171.49,819.76 1171.49,810.92 1175.89,806.52
  L1_TOP w8.05: U1.AG24@1121.74,893.99 1127.92,887.81 1134.1,881.63 1140.29,875.44 1146.47,869.26 ; 1175.89,806.52 1180.29,802.11 v1(1188.22,794.19)
  L8_BOT w2.79: 1109.85,841.62 1115.51,847.28 1121.17,852.94 1126.82,858.6 1132.48,864.26 1132.48,873.18 ; 1132.48,908.9 1132.48,917.82
  L8_BOT w3.37: 1132.48,917.82 1138.75,924.09 ; 1145.02,930.36 1151.29,936.63 1157.56,942.9
  L8_BOT w3.96: 1132.48,899.97 1132.48,908.9 ; 1157.56,942.9 1163.16,942.9 1168.76,942.9
  L8_BOT w5.13: 1109.85,802.1 1109.85,810 ; 1109.85,817.91 1109.85,825.81 1109.85,833.72 1109.85,841.62
  L8_BOT w5.71: 1138.75,924.09 1145.02,930.36
  L8_BOT w6.29: 1109.85,800.32 1109.85,802.1
  L8_BOT w6.88: 1109.85,810 1109.85,817.91 ; 1115.98,794.19 1118.56,794.19 1127.27,794.19 1135.97,794.19 1144.68,794.19 1153.39,794.19 1162.09,794.19 1170.8,794.19 ; 1168.76,942.9 1174.19,937.47
  L8_BOT w8.05: 1109.85,800.32 1115.98,794.19 ; 1132.48,873.18 1132.48,882.11 1132.48,891.04 1132.48,899.97 ; 1170.8,794.19 1179.51,794.19 v1(1188.22,794.19) ; 1174.19,937.47 1179.63,932.03 1181.9,929.76 1740.91,929.76 1761.48,909.19 J7.5@1812.23,909.2